# KiCad board SparkFun_Thing_Plus_ESP32-S3_panelized.kicad_pcb (continued)
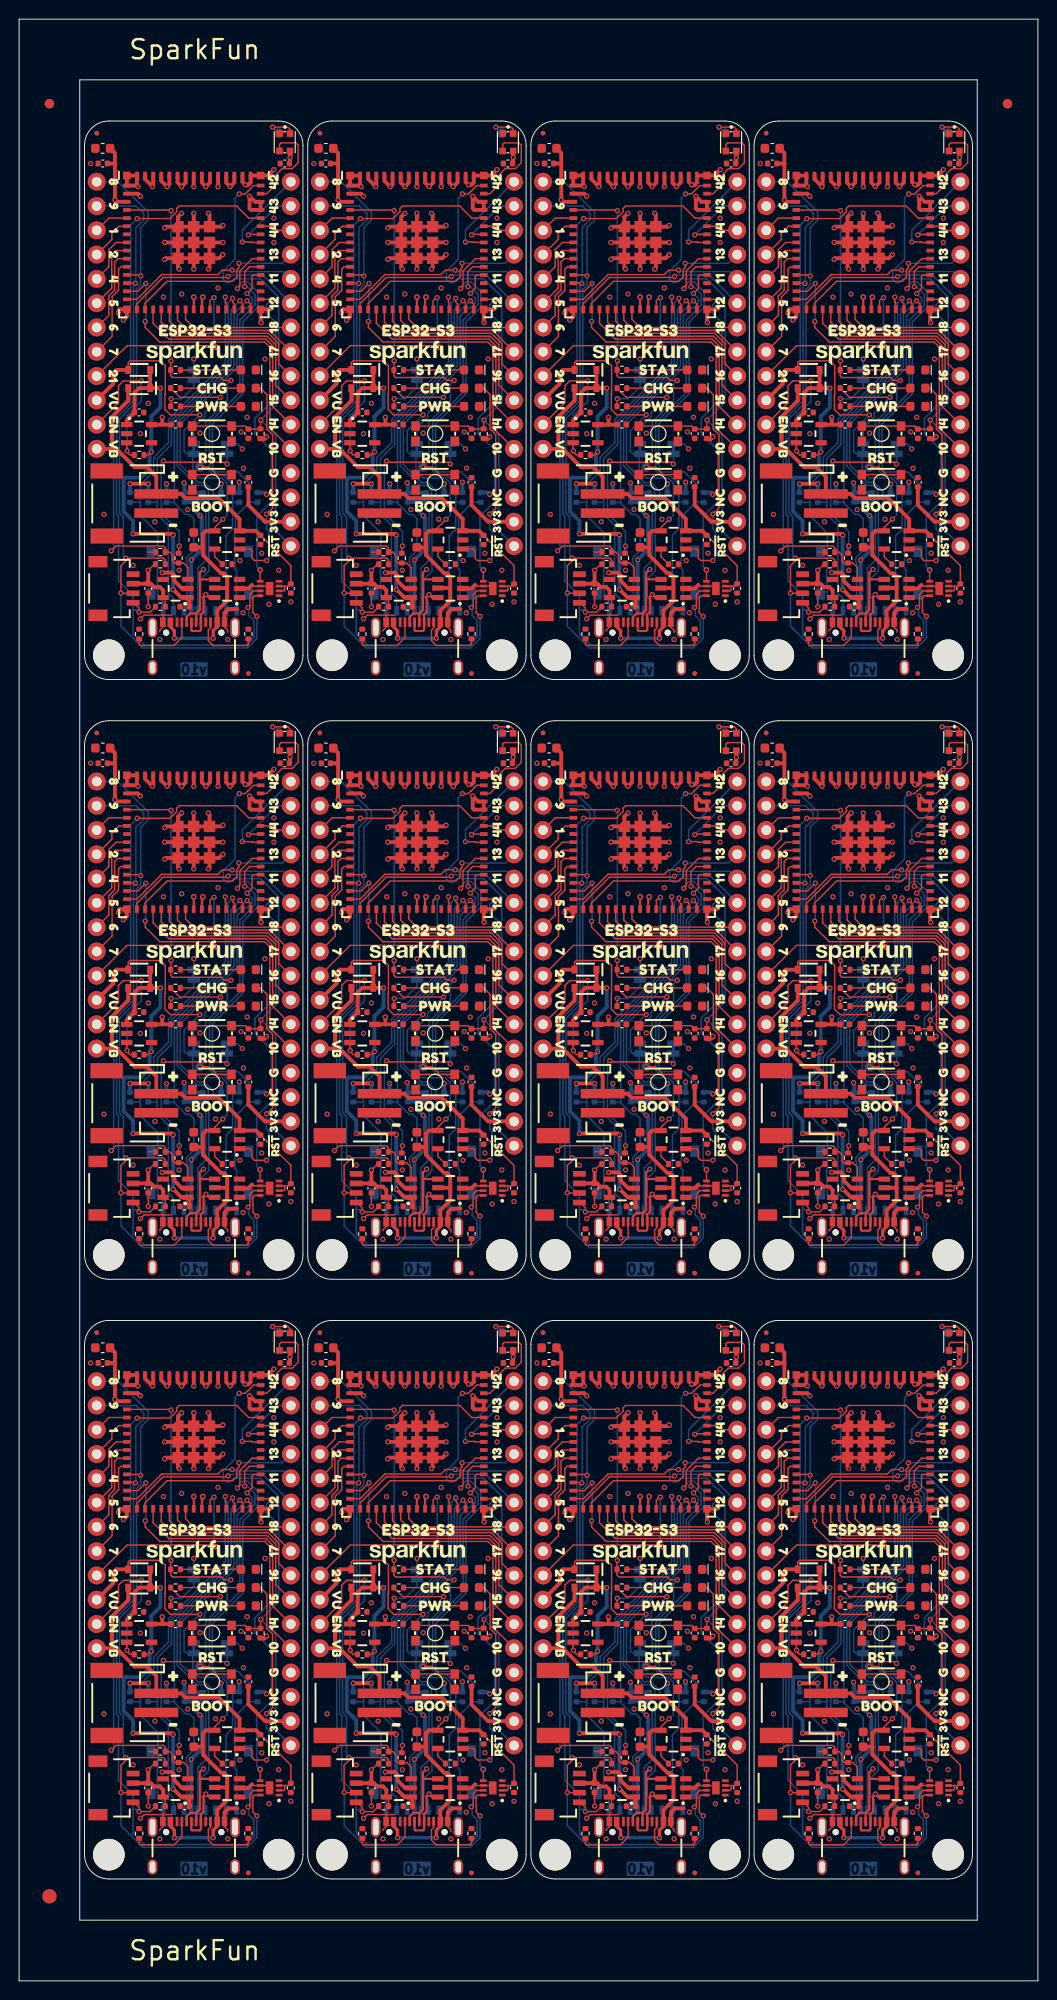
[diagram p0: board, top side]
## Routing (per net, layer and track width the routed paths; a pad name or vN(x,y) marks a point on that pad's centre or on a via; arc(x,y) is an arc through that point) (continued)
GND: length 1099.6
  Top w0.152: J1#12.GND 21.5,16.15 21.82,15.83 21.82,15.61 ; 38.47,142.85 39.32,142.85 ; 38.47,142.85 38.41,142.8 J1#6.GND 38.41,141.61 38.08,141.28 38.08,141.2 ; 38.47,142.85 36.44,142.85 v1(36.05,142.47) ; v1(82.77,79.74) 83.16,80.12 85.19,80.12 ; 45.18,15.61 45.18,15.83 44.87,16.15 44.87,16.67 ; v1(82.77,142.47) 83.16,142.85 85.19,142.85 ; 39.32,17.39 38.47,17.39 ; 13.52,19.41 13.52,18.6 ; J1#2.GND 68.22,78.88 68.54,78.56 68.54,78.34 ; R19#6.2 13.52,86.73 ; 47.74,20.57 47.87,20.44 U4#8.6 49.33,20.44 U4#8.9 ; 61.82,80.12 62.68,80.12 ; 61.82,80.12 59.8,80.12 v1(59.41,79.74) ; 61.82,80.12 61.78,80.07 J1#2.GND 61.78,78.88 61.44,78.55 61.44,78.47 ; 85.19,142.85 85.13,142.8 85.13,141.61 84.8,141.28 84.8,141.2 ; 85.19,142.85 86.04,142.85 ; 15.11,17.39 15.96,17.39 ; 15.11,17.39 13.08,17.39 v1(12.69,17.01) ; 15.11,17.39 15.06,17.34 J1#12.GND 15.06,16.15 14.72,15.82 14.72,15.74 ; J1#8.GND 68.22,141.61 68.54,141.29 68.54,141.07 ; 84.8,78.47 84.8,78.55 85.13,78.88 85.13,80.07 85.19,80.12 ; 85.19,17.39 83.16,17.39 v1(82.77,17.01) ; 85.19,17.39 85.13,17.34 85.13,16.15 84.8,15.82 84.8,15.74 ; 85.19,17.39 86.04,17.39 ; 83.6,144.87 83.6,144.06 ; 71.1,20.57 71.23,20.44 U4#9.6 72.69,20.44 U4#9.9 ; 15.11,142.85 15.06,142.8 J1#3.GND 15.06,141.61 14.72,141.28 14.72,141.2 ; 15.11,142.85 15.96,142.85 ; 15.11,142.85 13.08,142.85 v1(12.69,142.47) ; 15.11,80.12 13.08,80.12 v1(12.69,79.74) ; 15.11,80.12 15.06,80.07 J1.GND 15.06,78.88 14.72,78.55 14.72,78.47 ; 15.11,80.12 15.96,80.12 ; 62.68,142.85 61.82,142.85 ; J1.GND 21.5,78.88 21.82,78.56 21.82,78.34 ; 61.82,17.39 62.68,17.39 ; 61.82,17.39 61.78,17.34 J1#7.GND 61.78,16.15 61.44,15.82 61.44,15.74 ; 61.82,17.39 59.8,17.39 v1(59.41,17.01) ; 47.74,83.3 47.87,83.17 U4#4.6 49.33,83.17 U4#4.9 ; 91.9,78.34 91.9,78.56 91.59,78.88 J1#9.GND ; J1#3.GND 21.5,141.61 21.82,141.29 21.82,141.07 ; 36.88,144.87 36.88,144.06 ; 44.87,79.4 44.87,78.88 45.18,78.56 45.18,78.34 ; 60.24,19.41 60.24,18.6 ; 38.47,80.12 36.44,80.12 v1(36.05,79.74) ; 38.47,80.12 38.41,80.07 J1#5.GND 38.41,78.88 38.08,78.55 38.08,78.47 ; 38.47,80.12 39.32,80.12 ; 61.82,142.85 59.8,142.85 v1(59.41,142.47) ; 61.82,142.85 61.78,142.8 J1#8.GND 61.78,141.61 61.44,141.28 61.44,141.2 ; U4#12.9 25.97,20.44 U4#12.6 24.51,20.44 24.38,20.57 ; 36.88,19.41 36.88,18.6 ; 38.47,17.39 36.44,17.39 v1(36.05,17.01) ; 38.47,17.39 38.41,17.34 J1#4.GND 38.41,16.15 38.08,15.82 38.08,15.74 ; R19#5.2 60.24,86.73 ; 85.19,80.12 86.04,80.12 ; 13.52,82.14 13.52,81.33 ; 91.9,15.61 91.9,15.83 91.59,16.15 J1#11.GND ; U4#10.9 49.33,145.9 U4#10.6 47.87,145.9 47.74,146.03 ; J1#10.GND 91.59,141.61 91.9,141.29 91.9,141.07 ; U4.9 96.05,145.9 U4.6 94.59,145.9 94.46,146.03 ; U4#11.9 25.97,145.9 U4#11.6 24.51,145.9 24.38,146.03 ; U4#7.9 96.05,20.44 U4#7.6 94.59,20.44 94.46,20.57 ; 83.6,82.14 83.6,81.33 ; 60.24,82.14 60.24,81.33 ; 68.54,15.61 68.54,15.83 68.22,16.15 J1#7.GND ; U4#5.9 72.69,83.17 U4#5.6 71.23,83.17 71.1,83.3 ; R19#7.2 13.52,149.46 ; R19#10.2 83.6,86.73 ; 45.18,141.07 45.18,141.29 44.87,141.61 44.87,142.13 ; 71.1,146.03 71.23,145.9 U4#6.6 72.69,145.9 U4#6.9 ; R19#11.2 60.24,24 ; R19#12.2 13.52,24 ; R19#4.2 60.24,149.46 ; 60.24,144.87 60.24,144.06 ; 94.46,83.3 94.59,83.17 U4#2.6 96.05,83.17 U4#2.9 ; R19.2 36.88,24 ; U4#3.9 25.97,83.17 U4#3.6 24.51,83.17 24.38,83.3 ; 36.88,82.14 36.88,81.33 ; 13.52,144.87 13.52,144.06 ; 83.6,19.41 83.6,18.6 ; R19#2.2 83.6,24 ; R19#8.2 36.88,86.73 ; R19#9.2 36.88,149.46 ; R19#3.2 83.6,149.46
  Top w0.406: U3#8.57 61.6,188.29 v1(62.21,187.68) 62.45,187.93 U3#8.56 ; U3#12.61 U3#12.61 ; U3#12.61 U3#12.61 ; U3#12.61 U3#12.61 ; U3#12.61 v1(18.28,53.59) ; U3#12.61 20.94,54.73 21.32,55.11 ; U3#12.61 U3#12.61 ; U3#12.61 19.93,53.72 19.8,53.59 ; U3#8.55 63.3,188.11 v1(63.73,187.68) 64.15,188.1 U3#8.54 ; U3#4.50 44.19,187.69 v1(44.18,187.68) ; U3#4.57 38.24,188.29 v1(38.85,187.68) 39.09,187.93 U3#4.56 ; v1(89.88,184.89) 90.01,184.76 U3#9.61 ; U3#11.61 U3#11.61 ; U3#11.61 U3#11.61 ; U3#11.61 v1(44.69,119.11) ; U3#11.61 U3#11.61 ; U3#11.61 U3#11.61 ; U3#11.61 U3#11.61 ; 57.13,174.73 57.24,174.84 U3#8.63 58,174.08 v1(57.63,173.71) ; v1(63.73,59.43) 63.35,59.05 U3#3.61 ; v1(57.63,110.98) 58,111.35 U3#7.63 57.24,112.11 57.13,112 ; U1#5.2 87.12,145.65 86.33,146.44 86.33,147.01 86.03,147.3 v1(85.06,147.3) ; U3#8.58 60.75,187.75 v1(60.68,187.68) 59.9,188.46 U3#8.59 ; U3#12.61 U3#12.61 ; U3#12.61 U3#12.61 ; U3#12.61 U3#12.61 ; U3#12.61 v1(18.28,59.43) ; U3#12.61 21.2,58.03 v1(21.33,58.16) ; U3#12.61 19.93,59.3 v1(19.8,59.43) ; U3#9.61 85.44,180.19 v1(85.31,180.06) ; U3#9.61 86.71,179.17 v1(86.84,179.05) ; U3#9.61 U3#9.61 ; U3#9.61 U3#9.61 ; v1(59.41,123.94) 59.14,124.21 U3#7.2 ; U3#9.61 U3#9.61 ; U3#9.61 U3#9.61 ; U3#9.61 v1(88.36,184.89) ; U3#9.61 U3#9.61 ; U3#9.61 91.28,183.49 v1(91.41,183.62) ; U3#5.55 16.58,125.38 v1(17.01,124.95) 17.43,125.37 U3#5.54 ; U3#8.61 U3#8.61 ; U3#8.61 v1(68.05,181.84) ; U3#8.61 U3#8.61 ; U3#8.61 U3#8.61 ; U3#8.61 66.65,179.18 66.52,179.05 ; U3#8.61 67.66,180.19 68.04,180.57 ; U3.61 U3.61 ; U3.61 U3.61 ; U3.61 v1(88.36,59.43) ; U3.61 U3.61 ; U3.61 U3.61 ; U3.61 86.71,59.05 v1(87.09,59.43) ; U3.61 85.44,58.03 v1(85.31,57.9) ; v1(80.99,110.98) 81.36,111.35 U3#6.63 80.6,112.11 80.49,112 ; U1#12.2 17.04,20.19 16.25,20.98 16.25,21.55 15.95,21.84 v1(14.98,21.84) ; 82.41,125.06 U3#6.1 U3#6.62 U3#6.60 82.41,125.06 ; 82.41,125.06 v1(82.52,124.95) ; U3#4.59 36.54,188.46 v1(37.32,187.68) 37.39,187.75 U3#4.58 ; 71.1,146.03 70.72,145.65 U2#3.2 ; U3#3.61 U3#3.61 ; U3#3.61 U3#3.61 ; U3#3.61 U3#3.61 ; U3#3.61 U3#3.61 ; U3#3.61 U3#3.61 ; U3#3.61 v1(65,59.43) ; U3#3.61 U3#3.61 ; U3#10.61 U3#10.61 ; U3#10.61 38.72,54.73 v1(38.59,54.6) ; U3#10.61 39.99,53.71 v1(40.12,53.59) ; U3#10.61 U3#10.61 ; U3#10.61 U3#10.61 ; U3#10.61 v1(41.64,53.59) ; U3#10.61 U3#10.61 ; U3#8.61 U3#8.61 ; U3#8.61 U3#8.61 ; U3#8.61 U3#8.61 ; U3#8.61 v1(65,184.89) ; U3#8.61 67.92,183.49 v1(68.05,183.62) ; U3#8.61 66.65,184.76 v1(66.52,184.89) ; U3#10.61 U3#10.61 ; U3#10.61 v1(44.69,56.38) ; U3#10.61 U3#10.61 ; U3#10.61 U3#10.61 ; U3#10.61 U3#10.61 ; U3#3.51 66.7,62.65 v1(66.27,62.22) 65.85,62.64 U3#3.52 ; v1(96.74,126.73) 96.12,126.11 U3#6.65 U3#6.46 94.31,125.38 94.07,125.14 v1(93.76,125.14) 93.46,125.44 U3#6.47 ; 82.41,62.33 v1(82.52,62.22) ; 82.41,62.33 U3.1 U3.62 U3.60 82.41,62.33 ; 35.69,187.79 U3#4.60 U3#4.62 U3#4.1 35.69,187.79 ; 35.69,187.79 v1(35.8,187.68) ; U3#12.61 v1(15.23,56.38) ; U3#12.61 U3#12.61 ; U3#12.61 U3#12.61 ; U3#12.61 U3#12.61 ; v1(61.95,180.06) 62.08,180.19 U3#8.61 ; U3#5.61 U3#5.61 ; U3#5.61 v1(21.33,119.11) ; U3#5.61 U3#5.61 ; U3#5.61 U3#5.61 ; U3#5.61 U3#5.61 ; U3#5.61 U3#5.61 ; v1(90.9,187.68) 90.91,187.69 U3#9.50 ; U3#3.61 U3#3.61 ; U3#3.61 62.08,54.73 v1(61.95,54.6) ; U3#3.61 U3#3.61 ; U3#3.61 63.35,53.71 v1(63.48,53.59) ; U3#3.61 v1(65,53.59) ; U3#3.61 U3#3.61 ; 92.91,80.77 92,80.77 91.59,80.36 J1#9.GND ; U3#2.61 U3#2.61 ; U3#2.61 U3#2.61 ; U3#2.61 U3#2.61 ; U3#2.61 U3#2.61 ; U3#2.61 v1(18.28,179.05) ; U3#2.61 U3#2.61 ; U3#2.61 U3#2.61 ; U3#6.56 85.81,125.2 v1(85.57,124.95) 84.96,125.56 U3#6.57 ; v1(82.77,186.67) 82.5,186.94 U3#9.2 ; 80.49,174.73 80.6,174.84 U3#9.63 81.36,174.08 v1(80.99,173.71) ; U3#10.61 44.56,58.03 v1(44.69,58.16) ; U3#10.61 43.29,59.3 v1(43.16,59.43) ; U3#10.61 U3#10.61 ; U3#9.61 85.44,183.49 v1(85.31,183.36) ; U3#9.61 U3#9.61 ; U3#9.61 86.71,184.51 v1(87.09,184.89) ; U3#12.52 19.13,62.64 v1(19.55,62.22) 19.98,62.65 U3#12.51 ; U3#5.61 U3#5.61 ; U3#5.61 v1(18.28,122.16) ; U3#5.61 U3#5.61 ; U3#5.61 21.2,120.76 v1(21.33,120.89) ; U3#5.61 19.93,122.03 v1(19.8,122.16) ; v1(85.31,117.33) 85.44,117.46 U3#6.61 ; U3#4.61 38.72,180.19 v1(38.59,180.06) ; U3#4.61 U3#4.61 ; U3#4.61 U3#4.61 ; U3#4.61 39.99,179.17 v1(40.12,179.05) ; U3#10.61 43.29,53.72 43.16,53.59 ; U3#10.61 44.3,54.73 44.68,55.11 ; J1#7.GND 68.22,17.63 68.64,18.04 69.55,18.04 ; U3#4.61 38.72,183.49 v1(38.59,183.36) ; U3#4.61 U3#4.61 ; U3#4.61 39.99,184.51 v1(40.37,184.89) ; U3#4.61 U3#4.61 ; U3#2.61 16.63,179.17 v1(16.76,179.05) ; U3#2.61 U3#2.61 ; U3#2.61 15.36,180.19 v1(15.23,180.06) ; U3#2.56 15.73,187.93 v1(15.49,187.68) 14.88,188.29 U3#2.57 ; U3.61 v1(91.41,56.38) ; U3.61 U3.61 ; U3.61 U3.61 ; U3#4.61 v1(41.64,179.05) ; U3#4.61 U3#4.61 ; U3#4.61 U3#4.61 ; v1(38.34,21.84) 39.31,21.84 39.61,21.55 39.61,20.98 40.4,20.19 U1#2.2 ; v1(38.59,57.9) 38.72,58.03 U3#10.61 ; U3#4.61 U3#4.61 ; U3#4.61 v1(38.59,181.84) ; U3#4.61 U3#4.61 ; U3#4.61 U3#4.61 ; v1(95.41,48) 95.36,48.04 U3.64 96.35,49.38 v1(96.49,49.52) ; v1(87.09,122.16) 86.71,121.78 U3#6.61 ; U3#5.61 U3#5.61 ; U3#5.61 U3#5.61 ; U3#5.61 v1(18.28,116.32) ; U3#5.61 20.94,117.46 21.32,117.84 ; U3#5.61 19.93,116.45 19.8,116.32 ; U3#2.61 v1(21.33,181.84) ; U3#2.61 U3#2.61 ; U3#10.53 v1(41.64,62.22) ; U3#11.61 U3#11.61 ; U3#11.61 U3#11.61 ; U3#11.61 v1(41.64,122.16) ; U3.53 v1(88.36,62.22) ; 43.16,179.05 43.29,179.18 U3#4.61 ; U3.55 86.66,62.65 v1(87.09,62.22) 87.51,62.64 U3.54 ; U3#2.61 21.2,183.49 v1(21.33,183.62) ; U3#2.61 19.93,184.76 v1(19.8,184.89) ; U3#2.61 U3#2.61 ; v1(72.05,173.46) 72,173.5 U3#8.64 72.99,174.84 v1(73.13,174.98) ; 43.16,116.32 43.29,116.45 U3#11.61 ; U3#11.61 44.56,120.76 v1(44.69,120.89) ; U3#11.61 43.29,122.03 v1(43.16,122.16) ; U3#6.61 U3#6.61 ; U3#6.61 v1(85.31,119.11) ; U3#6.61 U3#6.61 ; U3#6.61 U3#6.61 ; U3#6.61 U3#6.61 ; U3#6.61 U3#6.61 ; U3#6.61 U3#6.61 ; U3#2.61 v1(15.23,181.84) ; U3#2.61 U3#2.61 ; v1(17.01,59.43) 16.63,59.05 U3#12.61 ; 44.87,16.67 44.87,17.63 45.28,18.04 46.19,18.04 ; U1#3.2 17.04,82.92 16.25,83.71 16.25,84.28 15.95,84.57 v1(14.98,84.57) ; U3#8.61 v1(61.95,181.84) ; U3#8.61 U3#8.61 ; U3#8.61 U3#8.61 ; U3#8.61 U3#8.61 ; 91.4,180.57 91.02,180.19 U3#9.61 ; U3#3.61 U3#3.61 ; U3#3.61 62.08,58.03 v1(61.95,57.9) ; U3#9.49 91.76,188.09 v1(92.17,187.68) 92.61,188.12 U3#9.48 ; v1(40.37,59.43) 39.99,59.05 U3#10.61 ; U3#12.53 v1(18.28,62.22) ; U1#9.2 63.76,82.92 62.97,83.71 62.97,84.28 62.67,84.57 v1(61.7,84.57) ; U3#10.51 43.34,62.65 v1(42.91,62.22) 42.49,62.64 U3#10.52 ; U3.59 83.26,63 v1(84.04,62.22) 84.11,62.29 U3.58 ; U3#4.61 v1(41.64,184.89) ; U3#4.61 U3#4.61 ; U3#8.2 59.14,186.94 v1(59.41,186.67) ; U3#10.49 45.04,62.63 v1(45.45,62.22) 45.89,62.66 U3#10.48 ; v1(36.05,61.21) 35.78,61.48 U3#10.2 ; v1(26.41,49.52) 26.27,49.38 U3#12.64 25.28,48.04 v1(25.33,48) ; U3#12.61 15.36,58.03 v1(15.23,57.9) ; U3#9.61 v1(85.31,181.84) ; U3#9.61 U3#9.61 ; U3.61 U3.61 ; U3.61 U3.61 ; U3.61 U3.61 ; U3.61 v1(88.36,53.59) ; U3.61 U3.61 ; v1(61.95,120.63) 62.08,120.76 U3#7.61 ; U3#9.61 U3#9.61 ; U3#9.61 U3#9.61 ; 44.68,117.84 44.3,117.46 U3#11.61 ; 59.05,125.06 U3#7.60 U3#7.62 U3#7.1 59.05,125.06 ; 59.05,125.06 v1(59.16,124.95) ; v1(67.54,124.95) 67.55,124.96 U3#7.50 ; v1(16.76,53.59) 16.63,53.71 U3#12.61 ; v1(68.05,120.89) 67.92,120.76 U3#7.61 ; 59.05,187.79 U3#8.1 U3#8.62 U3#8.60 59.05,187.79 ; 59.05,187.79 v1(59.16,187.68) ; U3#11.61 U3#11.61 ; U3#11.61 39.99,116.44 v1(40.12,116.32) ; U3#11.61 38.72,117.46 v1(38.59,117.33) ; U3#11.61 U3#11.61 ; U3#11.61 v1(41.64,116.32) ; U3#11.61 U3#11.61 ; v1(38.34,147.3) 39.31,147.3 39.61,147.01 39.61,146.44 40.4,145.65 U1#7.2 ; U3#3.61 v1(61.95,56.38) ; U3#6.53 v1(88.36,124.95) ; U3#5.47 23.38,125.44 v1(23.68,125.14) 24,125.14 24.23,125.38 U3#5.46 U3#5.65 26.04,126.11 v1(26.66,126.73) ; 82.41,187.79 U3#9.60 U3#9.62 U3#9.1 82.41,187.79 ; 82.41,187.79 v1(82.52,187.68) ; U3#12.2 12.42,61.48 v1(12.69,61.21) ; J1#8.GND 68.22,143.09 68.64,143.5 69.55,143.5 ; 12.33,187.79 v1(12.44,187.68) ; 12.33,187.79 U3#2.60 U3#2.62 U3#2.1 12.33,187.79 ; U3#2.50 20.83,187.69 v1(20.82,187.68) ; 92.91,143.5 92,143.5 91.59,143.09 J1#10.GND ; U3#10.61 U3#10.61 ; U3#10.61 U3#10.61 ; U3#10.61 v1(38.59,56.38) ; 89.88,116.32 90.01,116.45 U3#6.61 ; U3#6.61 U3#6.61 ; U3#6.61 91.02,117.46 91.4,117.84 ; U3#6.61 U3#6.61 ; v1(15.23,183.36) 15.36,183.49 U3#2.61 ; 80.49,49.27 80.6,49.38 U3.63 81.36,48.62 v1(80.99,48.25) ; U3#2.55 16.58,188.11 v1(17.01,187.68) 17.43,188.1 U3#2.54 ; U3#7.58 60.75,125.02 v1(60.68,124.95) 59.9,125.73 U3#7.59 ; 12.33,125.06 U3#5.60 U3#5.62 U3#5.1 12.33,125.06 ; 12.33,125.06 v1(12.44,124.95) ; 21.32,180.57 20.94,180.19 U3#2.61 ; 35.69,62.33 U3#10.1 U3#10.62 U3#10.60 35.69,62.33 ; 35.69,62.33 v1(35.8,62.22) ; v1(90.9,124.95) 90.91,124.96 U3#6.50 ; U3#8.48 69.25,188.12 v1(68.81,187.68) 68.4,188.09 U3#8.49 ; U3#4.47 46.74,188.17 v1(47.04,187.87) 47.35,187.87 47.59,188.11 U3#4.46 U3#4.65 49.4,188.84 v1(50.02,189.46) ; U3.61 U3.61 ; U3.61 v1(85.31,56.38) ; v1(85.31,120.63) 85.44,120.76 U3#6.61 ; U3#8.50 67.55,187.69 v1(67.54,187.68) ; U1#6.2 63.76,20.19 62.97,20.98 62.97,21.55 62.67,21.84 v1(61.7,21.84) ; U3#11.61 v1(38.59,119.11) ; U3#11.61 U3#11.61 ; U3#11.50 44.19,124.96 v1(44.18,124.95) ; U3#5.61 15.36,120.76 v1(15.23,120.63) ; U3#5.61 16.63,121.78 v1(17.01,122.16) ; U3#5.61 U3#5.61 ; U3#8.47 70.1,188.17 v1(70.4,187.87) 70.72,187.87 70.95,188.11 U3#8.46 U3#8.65 72.76,188.84 v1(73.38,189.46) ; U3.61 90.01,59.3 v1(89.88,59.43) ; U3.61 91.28,58.03 v1(91.41,58.16) ; U3#7.49 68.4,125.36 v1(68.81,124.95) 69.25,125.39 U3#7.48 ; U1#4.2 63.76,145.65 62.97,146.44 62.97,147.01 62.67,147.3 v1(61.7,147.3) ; U3#7.61 62.08,117.46 v1(61.95,117.33) ; U3#7.61 63.35,116.44 v1(63.48,116.32) ; U3#7.61 U3#7.61 ; U3#7.61 U3#7.61 ; U3#5.61 U3#5.61 ; U3#5.61 v1(15.23,119.11) ; U3#8.61 U3#8.61 ; U3#8.61 v1(65,179.05) ; U3#8.61 U3#8.61 ; 22.83,80.77 21.92,80.77 21.5,80.36 J1.GND ; 94.46,146.03 94.07,145.65 U2#5.2 ; U3.61 91.02,54.73 91.4,55.11 ; U3.61 90.01,53.72 89.88,53.59 ; v1(63.73,122.16) 63.35,121.78 U3#7.61 ; U3#9.55 86.66,188.11 v1(87.09,187.68) 87.51,188.1 U3#9.54 ; 94.46,20.57 94.07,20.19 U2#10.2 ; U3#2.61 v1(18.28,184.89) ; U3#2.61 U3#2.61 ; U3#2.48 22.53,188.12 v1(22.09,187.68) 21.68,188.09 U3#2.49 ; 71.1,83.3 70.72,82.92 U2#9.2 ; v1(26.66,189.46) 26.04,188.84 U3#2.65 U3#2.46 24.23,188.11 24,187.87 v1(23.68,187.87) 23.38,188.17 U3#2.47 ; U3#8.61 63.35,179.17 v1(63.48,179.05) ; v1(20.82,124.95) 20.83,124.96 U3#5.50 ; U3#7.61 U3#7.61 ; U3#7.61 U3#7.61 ; U3#7.61 U3#7.61 ; U3#7.61 U3#7.61 ; U3#7.61 v1(65,116.32) ; U3#7.61 U3#7.61 ; v1(73.13,49.52) 72.99,49.38 U3#3.64 72,48.04 v1(72.05,48) ; U3#12.61 U3#12.61 ; U3#5.48 22.53,125.39 v1(22.09,124.95) 21.68,125.36 U3#5.49 ; v1(38.34,84.57) 39.31,84.57 39.61,84.28 39.61,83.71 40.4,82.92 U1#10.2 ; U3#6.54 87.51,125.37 v1(87.09,124.95) 86.66,125.38 U3#6.55 ; U2#7.2 47.35,82.92 47.74,83.3 ; U3#3.2 59.14,61.48 v1(59.41,61.21) ; v1(25.33,173.46) 25.28,173.5 U3#2.64 26.27,174.84 v1(26.41,174.98) ; v1(86.84,53.59) 86.71,53.71 U3.61 ; v1(67.54,62.22) 67.55,62.23 U3#3.50 ; U3#11.61 39.99,121.78 v1(40.37,122.16) ; U3#11.61 38.72,120.76 v1(38.59,120.63) ; U3#6.61 v1(91.41,119.11) ; U3#12.59 13.18,63 v1(13.96,62.22) 14.03,62.29 U3#12.58 ; U3#4.51 43.34,188.11 v1(42.91,187.68) 42.49,188.1 U3#4.52 ; v1(20.82,62.22) 20.83,62.23 U3#12.50 ; U3#6.2 82.5,124.21 v1(82.77,123.94) ; 24.38,83.3 24,82.92 U2#2.2 ; 68.04,117.84 67.66,117.46 U3#7.61 ; v1(73.38,64) 72.76,63.38 U3#3.65 U3#3.46 70.95,62.65 70.72,62.41 v1(70.4,62.41) 70.1,62.71 U3#3.47 ; U3#2.58 14.03,187.75 v1(13.96,187.68) 13.18,188.46 U3#2.59 ; v1(96.74,64) 96.12,63.38 U3.65 U3.46 94.31,62.65 94.07,62.41 v1(93.76,62.41) 93.46,62.71 U3.47 ; v1(15.23,117.33) 15.36,117.46 U3#5.61 ; U3#6.61 91.28,120.76 v1(91.41,120.89) ; U3#6.61 U3#6.61 ; U3#6.61 90.01,122.03 v1(89.88,122.16) ; v1(26.41,112.25) 26.27,112.11 U3#5.64 25.28,110.77 v1(25.33,110.73) ; v1(15.23,54.6) 15.36,54.73 U3#12.61 ; U3#9.56 85.81,187.93 v1(85.57,187.68) 84.96,188.29 U3#9.57 ; U3#4.54 40.79,188.1 v1(40.37,187.68) 39.94,188.11 U3#4.55 ; U3#8.51 66.7,188.11 v1(66.27,187.68) 65.85,188.1 U3#8.52 ; U3#3.53 v1(65,62.22) ; v1(85.06,21.84) 86.03,21.84 86.33,21.55 86.33,20.98 87.12,20.19 U1#8.2 ; v1(36.05,123.94) 35.78,124.21 U3#11.2 ; U3#3.61 67.92,58.03 v1(68.05,58.16) ; U3#3.61 66.65,59.3 v1(66.52,59.43) ; U3#10.59 36.54,63 v1(37.32,62.22) 37.39,62.29 U3#10.58 ; v1(72.05,110.73) 72,110.77 U3#7.64 72.99,112.11 v1(73.13,112.25) ; U3#3.61 67.66,54.73 68.04,55.11 ; U3#3.61 66.65,53.72 66.52,53.59 ; U3#3.61 U3#3.61 ; 24.38,20.57 24,20.19 U2#12.2 ; 10.41,112 10.52,112.11 U3#5.63 11.28,111.35 v1(10.91,110.98) ; U3#4.48 45.89,188.12 v1(45.45,187.68) 45.04,188.09 U3#4.49 ; v1(73.38,126.73) 72.76,126.11 U3#7.65 U3#7.46 70.95,125.38 70.72,125.14 v1(70.4,125.14) 70.1,125.44 U3#7.47 ; U3#5.56 15.73,125.2 v1(15.49,124.95) 14.88,125.56 U3#5.57 ; U3#7.61 v1(61.95,119.11) ; U3#7.61 U3#7.61 ; U3#10.47 46.74,62.71 v1(47.04,62.41) 47.35,62.41 47.59,62.65 U3#10.46 U3#10.65 49.4,63.38 v1(50.02,64) ; v1(63.73,184.89) 63.35,184.51 U3#8.61 ; U3#2.52 19.13,188.1 v1(19.55,187.68) 19.98,188.11 U3#2.51 ; U3.61 85.44,54.73 v1(85.31,54.6) ; v1(17.01,184.89) 16.63,184.51 U3#2.61 ; U3#6.61 86.71,116.44 v1(86.84,116.32) ; U3#6.61 U3#6.61 ; U3#9.61 U3#9.61 ; U3#9.61 v1(88.36,179.05) ; U3#10.55 39.94,62.65 v1(40.37,62.22) 40.79,62.64 U3#10.54 ; U3#8.61 62.08,183.49 v1(61.95,183.36) ; U2#6.2 70.72,20.19 71.1,20.57 ; U3#2.2 12.42,186.94 v1(12.69,186.67) ; 57.13,49.27 57.24,49.38 U3#3.63 58,48.62 v1(57.63,48.25) ; v1(49.77,174.98) 49.63,174.84 U3#4.64 48.64,173.5 v1(48.69,173.46) ; U3.51 90.06,62.65 v1(89.63,62.22) 89.21,62.64 U3.52 ; U3#12.55 16.58,62.65 v1(17.01,62.22) 17.43,62.64 U3#12.54 ; 69.55,80.77 68.64,80.77 68.22,80.36 J1#2.GND ; v1(85.06,84.57) 86.03,84.57 86.33,84.28 86.33,83.71 87.12,82.92 U1#11.2 ; v1(12.69,123.94) 12.42,124.21 U3#5.2 ; U3#4.53 v1(41.64,187.68) ; U3#12.48 22.53,62.66 v1(22.09,62.22) 21.68,62.63 U3#12.49 ; U3#3.54 64.15,62.64 v1(63.73,62.22) 63.3,62.65 U3#3.55 ; v1(16.76,116.32) 16.63,116.44 U3#5.61 ; U3#6.61 v1(88.36,116.32) ; U3#9.61 U3#9.61 ; U3#9.61 90.01,179.18 89.88,179.05 ; v1(34.27,48.25) 34.64,48.62 U3#10.63 33.88,49.38 33.77,49.27 ; v1(49.77,112.25) 49.63,112.11 U3#11.64 48.64,110.77 v1(48.69,110.73) ; U3#11.51 43.34,125.38 v1(42.91,124.95) 42.49,125.37 U3#11.52 ; U3#11.58 37.39,125.02 v1(37.32,124.95) 36.54,125.73 U3#11.59 ; 33.77,112 33.88,112.11 U3#11.63 34.64,111.35 v1(34.27,110.98) ; U3#11.57 38.24,125.56 v1(38.85,124.95) 39.09,125.2 U3#11.56 ; U2#11.2 94.07,82.92 94.46,83.3 ; U3#11.48 45.89,125.39 v1(45.45,124.95) 45.04,125.36 U3#11.49 ; U3#7.54 64.15,125.37 v1(63.73,124.95) 63.3,125.38 U3#7.55 ; U3#12.47 23.38,62.71 v1(23.68,62.41) 24,62.41 24.23,62.65 U3#12.46 U3#12.65 26.04,63.38 v1(26.66,64) ; U3.48 92.61,62.66 v1(92.17,62.22) 91.76,62.63 U3.49 ; U3#7.51 66.7,125.38 v1(66.27,124.95) 65.85,125.37 U3#7.52 ; U3#12.57 14.88,62.83 v1(15.49,62.22) 15.73,62.47 U3#12.56 ; 19.8,179.05 19.93,179.18 U3#2.61 ; U3#9.61 v1(91.41,181.84) ; U3#6.52 89.21,125.37 v1(89.63,124.95) 90.06,125.38 U3#6.51 ; U3#7.61 U3#7.61 ; U3#7.61 v1(68.05,119.11) ; U3#7.61 66.65,116.45 66.52,116.32 ; 22.83,18.04 21.92,18.04 21.5,17.63 J1#12.GND ; 10.41,49.27 10.52,49.38 U3#12.63 11.28,48.62 v1(10.91,48.25) ; U3#5.53 v1(18.28,124.95) ; v1(90.9,62.22) 90.91,62.23 U3.50 ; U3#11.55 39.94,125.38 v1(40.37,124.95) 40.79,125.37 U3#11.54 ; U3#4.61 44.3,180.19 44.68,180.57 ; U3#4.61 U3#4.61 ; U3#9.59 83.26,188.46 v1(84.04,187.68) 84.11,187.75 U3#9.58 ; U3#9.53 v1(88.36,187.68) ; U3#10.50 44.19,62.23 v1(44.18,62.22) ; U3#3.56 62.45,62.47 v1(62.21,62.22) 61.6,62.83 U3#3.57 ; U3#7.61 U3#7.61 ; 22.83,143.5 21.92,143.5 21.5,143.09 J1#3.GND ; U3#6.61 v1(88.36,122.16) ; U3#6.61 U3#6.61 ; U3#3.49 68.4,62.63 v1(68.81,62.22) 69.25,62.66 U3#3.48 ; U3#7.61 U3#7.61 ; U3#7.61 v1(65,122.16) ; U3#7.61 66.65,122.03 v1(66.52,122.16) ; U3.57 84.96,62.83 v1(85.57,62.22) 85.81,62.47 U3.56 ; 59.05,62.33 U3#3.60 U3#3.62 U3#3.1 59.05,62.33 ; 59.05,62.33 v1(59.16,62.22) ; U3#7.56 62.45,125.2 v1(62.21,124.95) 61.6,125.56 U3#7.57 ; v1(49.77,49.52) 49.63,49.38 U3#10.64 48.64,48.04 v1(48.69,48) ; U3#4.61 44.56,183.49 v1(44.69,183.62) ; U3#4.61 43.29,184.76 v1(43.16,184.89) ; 35.69,125.06 v1(35.8,124.95) ; 35.69,125.06 U3#11.1 U3#11.62 U3#11.60 35.69,125.06 ; U2#4.2 47.35,20.19 47.74,20.57 ; U3#4.2 35.78,186.94 v1(36.05,186.67) ; U3#10.61 v1(41.64,59.43) ; U3#10.56 39.09,62.47 v1(38.85,62.22) 38.24,62.83 U3#10.57 ; 12.33,62.33 U3#12.60 U3#12.62 U3#12.1 12.33,62.33 ; 12.33,62.33 v1(12.44,62.22) ; U3#12.61 v1(21.33,56.38) ; v1(14.98,147.3) 15.95,147.3 16.25,147.01 16.25,146.44 17.04,145.65 U1.2 ; 46.19,143.5 45.28,143.5 44.87,143.09 44.87,142.13 ; v1(82.77,61.21) 82.5,61.48 U3.2 ; U3#9.51 90.06,188.11 v1(89.63,187.68) 89.21,188.1 U3#9.52 ; v1(50.02,126.73) 49.4,126.11 U3#11.65 U3#11.46 47.59,125.38 47.35,125.14 v1(47.04,125.14) 46.74,125.44 U3#11.47 ; v1(96.49,174.98) 96.35,174.84 U3#9.64 95.36,173.5 v1(95.41,173.46) ; U3#7.53 v1(65,124.95) ; U3#6.59 83.26,125.73 v1(84.04,124.95) 84.11,125.02 U3#6.58 ; U3#5.58 14.03,125.02 v1(13.96,124.95) 13.18,125.73 U3#5.59 ; v1(95.41,110.73) 95.36,110.77 U3#6.64 96.35,112.11 v1(96.49,112.25) ; U3#3.61 v1(68.05,56.38) ; 47.74,146.03 47.35,145.65 U2#8.2 ; v1(10.91,173.71) 11.28,174.08 U3#2.63 10.52,174.84 10.41,174.73 ; U3#8.53 v1(65,187.68) ; U3#5.52 19.13,125.37 v1(19.55,124.95) 19.98,125.38 U3#5.51 ; U3#2.53 v1(18.28,187.68) ; U2.2 24,145.65 24.38,146.03 ; U3#6.49 91.76,125.36 v1(92.17,124.95) 92.61,125.39 U3#6.48 ; 46.19,80.77 45.28,80.77 44.87,80.36 44.87,79.4 ; v1(96.74,189.46) 96.12,188.84 U3#9.65 U3#9.46 94.31,188.11 94.07,187.87 v1(93.76,187.87) 93.46,188.17 U3#9.47 ; U3#4.61 v1(44.69,181.84) ; J1#11.GND 91.59,17.63 92,18.04 92.91,18.04 ; U3#3.58 60.75,62.29 v1(60.68,62.22) 59.9,63 U3#3.59 ; 33.77,174.73 33.88,174.84 U3#4.63 34.64,174.08 v1(34.27,173.71) ; U3#11.53 v1(41.64,124.95) ; U3#12.42 24.28,59.78 24.12,59.94 v1(24.12,61.21) 24.7,60.63 U3#12.43 U3#12.42 ; 47.48,59.94 v1(47.48,61.21) 48.06,60.63 U3#10.43 U3#10.42 47.64,59.78 47.48,59.94 ; U3#2.43 24.7,186.09 v1(24.12,186.67) 24.12,185.4 24.28,185.24 U3#2.42 U3#2.43 ; U3#7.42 U3#7.43 71.42,123.36 v1(70.84,123.94) 70.84,122.67 71,122.51 U3#7.42 ; U3#9.43 94.78,186.09 v1(94.2,186.67) 94.2,185.4 94.36,185.24 U3#9.42 U3#9.43 ; 71.42,60.63 v1(70.84,61.21) 70.84,59.94 71,59.78 U3#3.42 U3#3.43 71.42,60.63 ; 48.06,123.36 v1(47.48,123.94) 47.48,122.67 47.64,122.51 U3#11.42 U3#11.43 48.06,123.36 ; 94.78,123.36 v1(94.2,123.94) 94.2,122.67 94.36,122.51 U3#6.42 U3#6.43 94.78,123.36 ; U3#5.43 24.7,123.36 v1(24.12,123.94) 24.12,122.67 24.28,122.51 U3#5.42 U3#5.43 ; 48.06,186.09 v1(47.48,186.67) 47.48,185.4 47.64,185.24 U3#4.42 U3#4.43 48.06,186.09 ; U3.42 94.36,59.78 94.2,59.94 v1(94.2,61.21) 94.78,60.63 U3.43 U3.42 ; U3#8.42 71,185.24 70.84,185.4 v1(70.84,186.67) 71.42,186.09 U3#8.43 U3#8.42
  Bottom w0.406: v1(40.62,93.96) 40.69,93.9 C4#7.2 C5#6.2 ; C5#7.2 C4#8.2 64.05,93.9 v1(63.98,93.96) ; C5#12.2 C4#12.2 17.33,31.17 v1(17.26,31.23) ; v1(17.26,156.69) 17.33,156.63 C4#6.2 C5#3.2 ; v1(87.34,93.96) 87.41,93.9 C4#10.2 C5.2 ; v1(87.34,156.69) 87.41,156.63 C4#11.2 C5#11.2 ; C5#4.2 C4#2.2 40.69,31.17 v1(40.62,31.23) ; v1(63.98,156.69) 64.05,156.63 C4#5.2 C5#2.2 ; v1(40.62,156.69) 40.69,156.63 C4#3.2 C5#8.2 ; v1(17.26,93.96) 17.33,93.9 C4.2 C5#5.2 ; v1(87.34,31.23) 87.41,31.17 C4#9.2 C5#9.2 ; C5#10.2 C4#4.2 64.05,31.17 v1(63.98,31.23)
  vias: v1(7.48,190.09) v1(7.48,127.37) v1(7.48,64.64) v1(8.88,153.39) v1(8.88,90.66) v1(8.88,27.93) v1(10.41,174.47) v1(10.41,111.74) v1(10.41,49.01) v1(11.93,148.06) v1(11.93,85.33) v1(11.93,22.6) v1(12.69,161.84) v1(12.69,99.11) v1(12.69,36.38) v1(13.52,165.01) v1(13.52,143.74) v1(13.52,102.28) v1(13.52,81.01) v1(13.52,39.55) v1(13.52,18.28) v1(14.22,152.63) v1(14.22,89.9) v1(14.22,27.17) v1(14.72,140.31) v1(14.72,77.58) v1(14.72,14.85) v1(15.11,176.12) v1(15.11,113.4) v1(15.11,50.67) v1(16.76,147.55) v1(16.76,84.82) v1(16.76,22.09) v1(17.01,176.44) v1(17.01,113.71) v1(17.01,50.98) v1(17.64,153.9) v1(17.64,91.17) v1(17.64,28.44) v1(18.94,161.89) v1(18.94,99.16) v1(18.94,36.43) v1(19.8,179.05) v1(19.8,116.32) v1(19.8,53.59) v1(20.57,152.88) v1(20.57,90.15) v1(20.57,27.42) v1(20.82,177.08) v1(20.82,114.35) v1(20.82,51.62) v1(21.33,180.57) v1(21.33,117.84) v1(21.33,55.11) v1(21.84,140.31) v1(21.84,77.58) v1(21.84,14.85) v1(23.11,148.57) v1(23.11,85.84) v1(23.11,23.11) v1(23.23,162.03) v1(23.23,99.3) v1(23.23,36.57) v1(23.49,158.22) v1(23.45,143.11) v1(23.49,95.49) v1(23.45,80.38) v1(23.49,32.76) v1(23.45,17.65) v1(23.87,163.55) v1(23.87,100.82) v1(23.87,38.09) v1(25.39,149.33) v1(25.39,86.6) v1(25.39,23.87) v1(25.73,169.65) v1(25.73,106.92) v1(25.73,44.19) v1(26.15,143.99) v1(26.15,81.26) v1(26.15,18.53) v1(26.66,184.38) v1(26.66,181.84) v1(26.66,121.65) v1(26.66,119.11) v1(26.66,58.92) v1(26.66,56.38) v1(27.17,147.55) v1(27.17,84.82) v1(27.17,22.09) v1(28.44,144.25) v1(28.44,81.52) v1(28.44,18.79) v1(30.84,190.09) v1(30.84,127.37) v1(30.84,64.64) v1(32.24,153.39) v1(32.24,90.66) v1(32.24,27.93) v1(33.77,174.47) v1(33.77,111.74) v1(33.77,49.01) v1(35.29,148.06) v1(35.29,85.33) v1(35.29,22.6) v1(36.05,161.84) v1(36.05,99.11) v1(36.05,36.38) v1(36.88,165.01) v1(36.88,143.74) v1(36.88,102.28) v1(36.88,81.01) v1(36.88,39.55) v1(36.88,18.28) v1(37.58,152.63) v1(37.58,89.9) v1(37.58,27.17) v1(38.08,140.31) v1(38.08,77.58) v1(38.08,14.85) v1(38.47,176.12) v1(38.47,113.4) v1(38.47,50.67) v1(40.12,147.55) v1(40.12,84.82) v1(40.12,22.09) v1(40.37,176.44) v1(40.37,113.71) v1(40.37,50.98) v1(41,153.9) v1(41,91.17) v1(41,28.44) v1(42.3,161.89) v1(42.3,99.16) v1(42.3,36.43) v1(43.16,179.05) v1(43.16,116.32) v1(43.16,53.59) v1(43.93,152.88) v1(43.93,90.15) v1(43.93,27.42) v1(44.18,177.08) v1(44.18,114.35) v1(44.18,51.62) v1(44.69,180.57) v1(44.69,117.84) v1(44.69,55.11) v1(45.2,140.31) v1(45.2,77.58) v1(45.2,14.85) v1(46.47,148.57) v1(46.47,85.84) v1(46.47,23.11) v1(46.59,162.03) v1(46.59,99.3) v1(46.59,36.57) v1(46.85,158.22) v1(46.81,143.11) v1(46.85,95.49) v1(46.81,80.38) v1(46.85,32.76) v1(46.81,17.65) v1(47.23,163.55) v1(47.23,100.82) v1(47.23,38.09) v1(48.75,149.33) v1(48.75,86.6) v1(48.75,23.87) v1(49.09,169.65) v1(49.09,106.92) v1(49.09,44.19) v1(49.51,143.99) v1(49.51,81.26) v1(49.51,18.53) v1(50.02,184.38) v1(50.02,181.84) v1(50.02,121.65) v1(50.02,119.11) v1(50.02,58.92) v1(50.02,56.38) v1(50.53,147.55) v1(50.53,84.82) v1(50.53,22.09) v1(51.8,144.25) v1(51.8,81.52) v1(51.8,18.79) v1(54.21,190.09) v1(54.21,127.37) v1(54.21,64.64) v1(55.6,153.39) v1(55.6,90.66) v1(55.6,27.93) v1(57.13,174.47) v1(57.13,111.74) v1(57.13,49.01) v1(58.65,148.06) v1(58.65,85.33) v1(58.65,22.6) v1(59.41,161.84) v1(59.41,99.11) v1(59.41,36.38) v1(60.24,165.01) v1(60.24,143.74) v1(60.24,102.28) v1(60.24,81.01) v1(60.24,39.55) v1(60.24,18.28) v1(60.94,152.63) v1(60.94,89.9) v1(60.94,27.17) v1(61.44,140.31) v1(61.44,77.58) v1(61.44,14.85) v1(61.82,176.12) v1(61.82,113.4) v1(61.82,50.67) v1(63.48,147.55) v1(63.48,84.82) v1(63.48,22.09) v1(63.73,176.44) v1(63.73,113.71) v1(63.73,50.98) v1(64.36,153.9) v1(64.36,91.17) v1(64.36,28.44) v1(65.66,161.89) v1(65.66,99.16) v1(65.66,36.43) v1(66.52,179.05) v1(66.52,116.32) v1(66.52,53.59) v1(67.29,152.88) v1(67.29,90.15) v1(67.29,27.42) v1(67.54,177.08) v1(67.54,114.35) v1(67.54,51.62) v1(68.05,180.57) v1(68.05,117.84) v1(68.05,55.11) v1(68.56,140.31) v1(68.56,77.58) v1(68.56,14.85) v1(69.83,148.57) v1(69.83,85.84) v1(69.83,23.11) v1(69.95,162.03) v1(69.95,99.3) v1(69.95,36.57) v1(70.17,143.11) v1(70.17,80.38) v1(70.17,17.65) v1(70.21,158.22) v1(70.21,95.49) v1(70.21,32.76) v1(70.59,163.55) v1(70.59,100.82) v1(70.59,38.09) v1(72.11,149.33) v1(72.11,86.6) v1(72.11,23.87) v1(72.45,169.65) v1(72.45,106.92) v1(72.45,44.19) v1(72.87,143.99) v1(72.87,81.26) v1(72.87,18.53) v1(73.38,184.38) v1(73.38,181.84) v1(73.38,121.65) v1(73.38,119.11) v1(73.38,58.92) v1(73.38,56.38) v1(73.89,147.55) v1(73.89,84.82) v1(73.89,22.09) v1(75.16,144.25) v1(75.16,81.52) v1(75.16,18.79) v1(77.56,190.09) v1(77.56,127.37) v1(77.56,64.64) v1(78.96,153.39) v1(78.96,90.66) v1(78.96,27.93) v1(80.49,174.47) v1(80.49,111.74) v1(80.49,49.01) v1(82.01,148.06) v1(82.01,85.33) v1(82.01,22.6) v1(82.77,161.84) v1(82.77,99.11) v1(82.77,36.38) v1(83.6,165.01) v1(83.6,143.74) v1(83.6,102.28) v1(83.6,81.01) v1(83.6,39.55) v1(83.6,18.28) v1(84.3,152.63) v1(84.3,89.9) v1(84.3,27.17) v1(84.8,140.31) v1(84.8,77.58) v1(84.8,14.85) v1(85.19,176.12) v1(85.19,113.4) v1(85.19,50.67) v1(86.84,147.55) v1(86.84,84.82) v1(86.84,22.09) v1(87.09,176.44) v1(87.09,113.71) v1(87.09,50.98) v1(87.72,153.9) v1(87.72,91.17) v1(87.72,28.44) v1(89.02,161.89) v1(89.02,99.16) v1(89.02,36.43) v1(89.88,179.05) v1(89.88,116.32) v1(89.88,53.59) v1(90.65,152.88) v1(90.65,90.15) v1(90.65,27.42) v1(90.9,177.08) v1(90.9,114.35) v1(90.9,51.62) v1(91.41,180.57) v1(91.41,117.84) v1(91.41,55.11) v1(91.92,140.31) v1(91.92,77.58) v1(91.92,14.85) v1(93.19,148.57) v1(93.19,85.84) v1(93.19,23.11) v1(93.31,162.03) v1(93.31,99.3) v1(93.31,36.57) v1(93.57,158.22) v1(93.53,143.11) v1(93.57,95.49) v1(93.53,80.38) v1(93.57,32.76) v1(93.53,17.65) v1(93.95,163.55) v1(93.95,100.82) v1(93.95,38.09) v1(95.47,149.33) v1(95.47,86.6) v1(95.47,23.87) v1(95.81,169.65) v1(95.81,106.92) v1(95.81,44.19) v1(96.23,143.99) v1(96.23,81.26) v1(96.23,18.53) v1(96.74,184.38) v1(96.74,181.84) v1(96.74,121.65) v1(96.74,119.11) v1(96.74,58.92) v1(96.74,56.38) v1(97.25,147.55) v1(97.25,84.82) v1(97.25,22.09) v1(98.52,144.25) v1(98.52,81.52) v1(98.52,18.79)